# Altium PCB Motherboard_PCB_Trimmed.PcbDoc (part 2 of 5)
Units mm, origin at the board's own origin, x right, y up, seen from the top; angles counter-clockwise.
Board outline 167.96 x 167.95 mm, 6 copper layers (Top, VCC, VS, Internal, GND, Bottom), stack 1.797 mm thick; 578 components, 549 nets, 2587 pads, 1599 vias.
Unrouted connection lines stored in the file: 2.
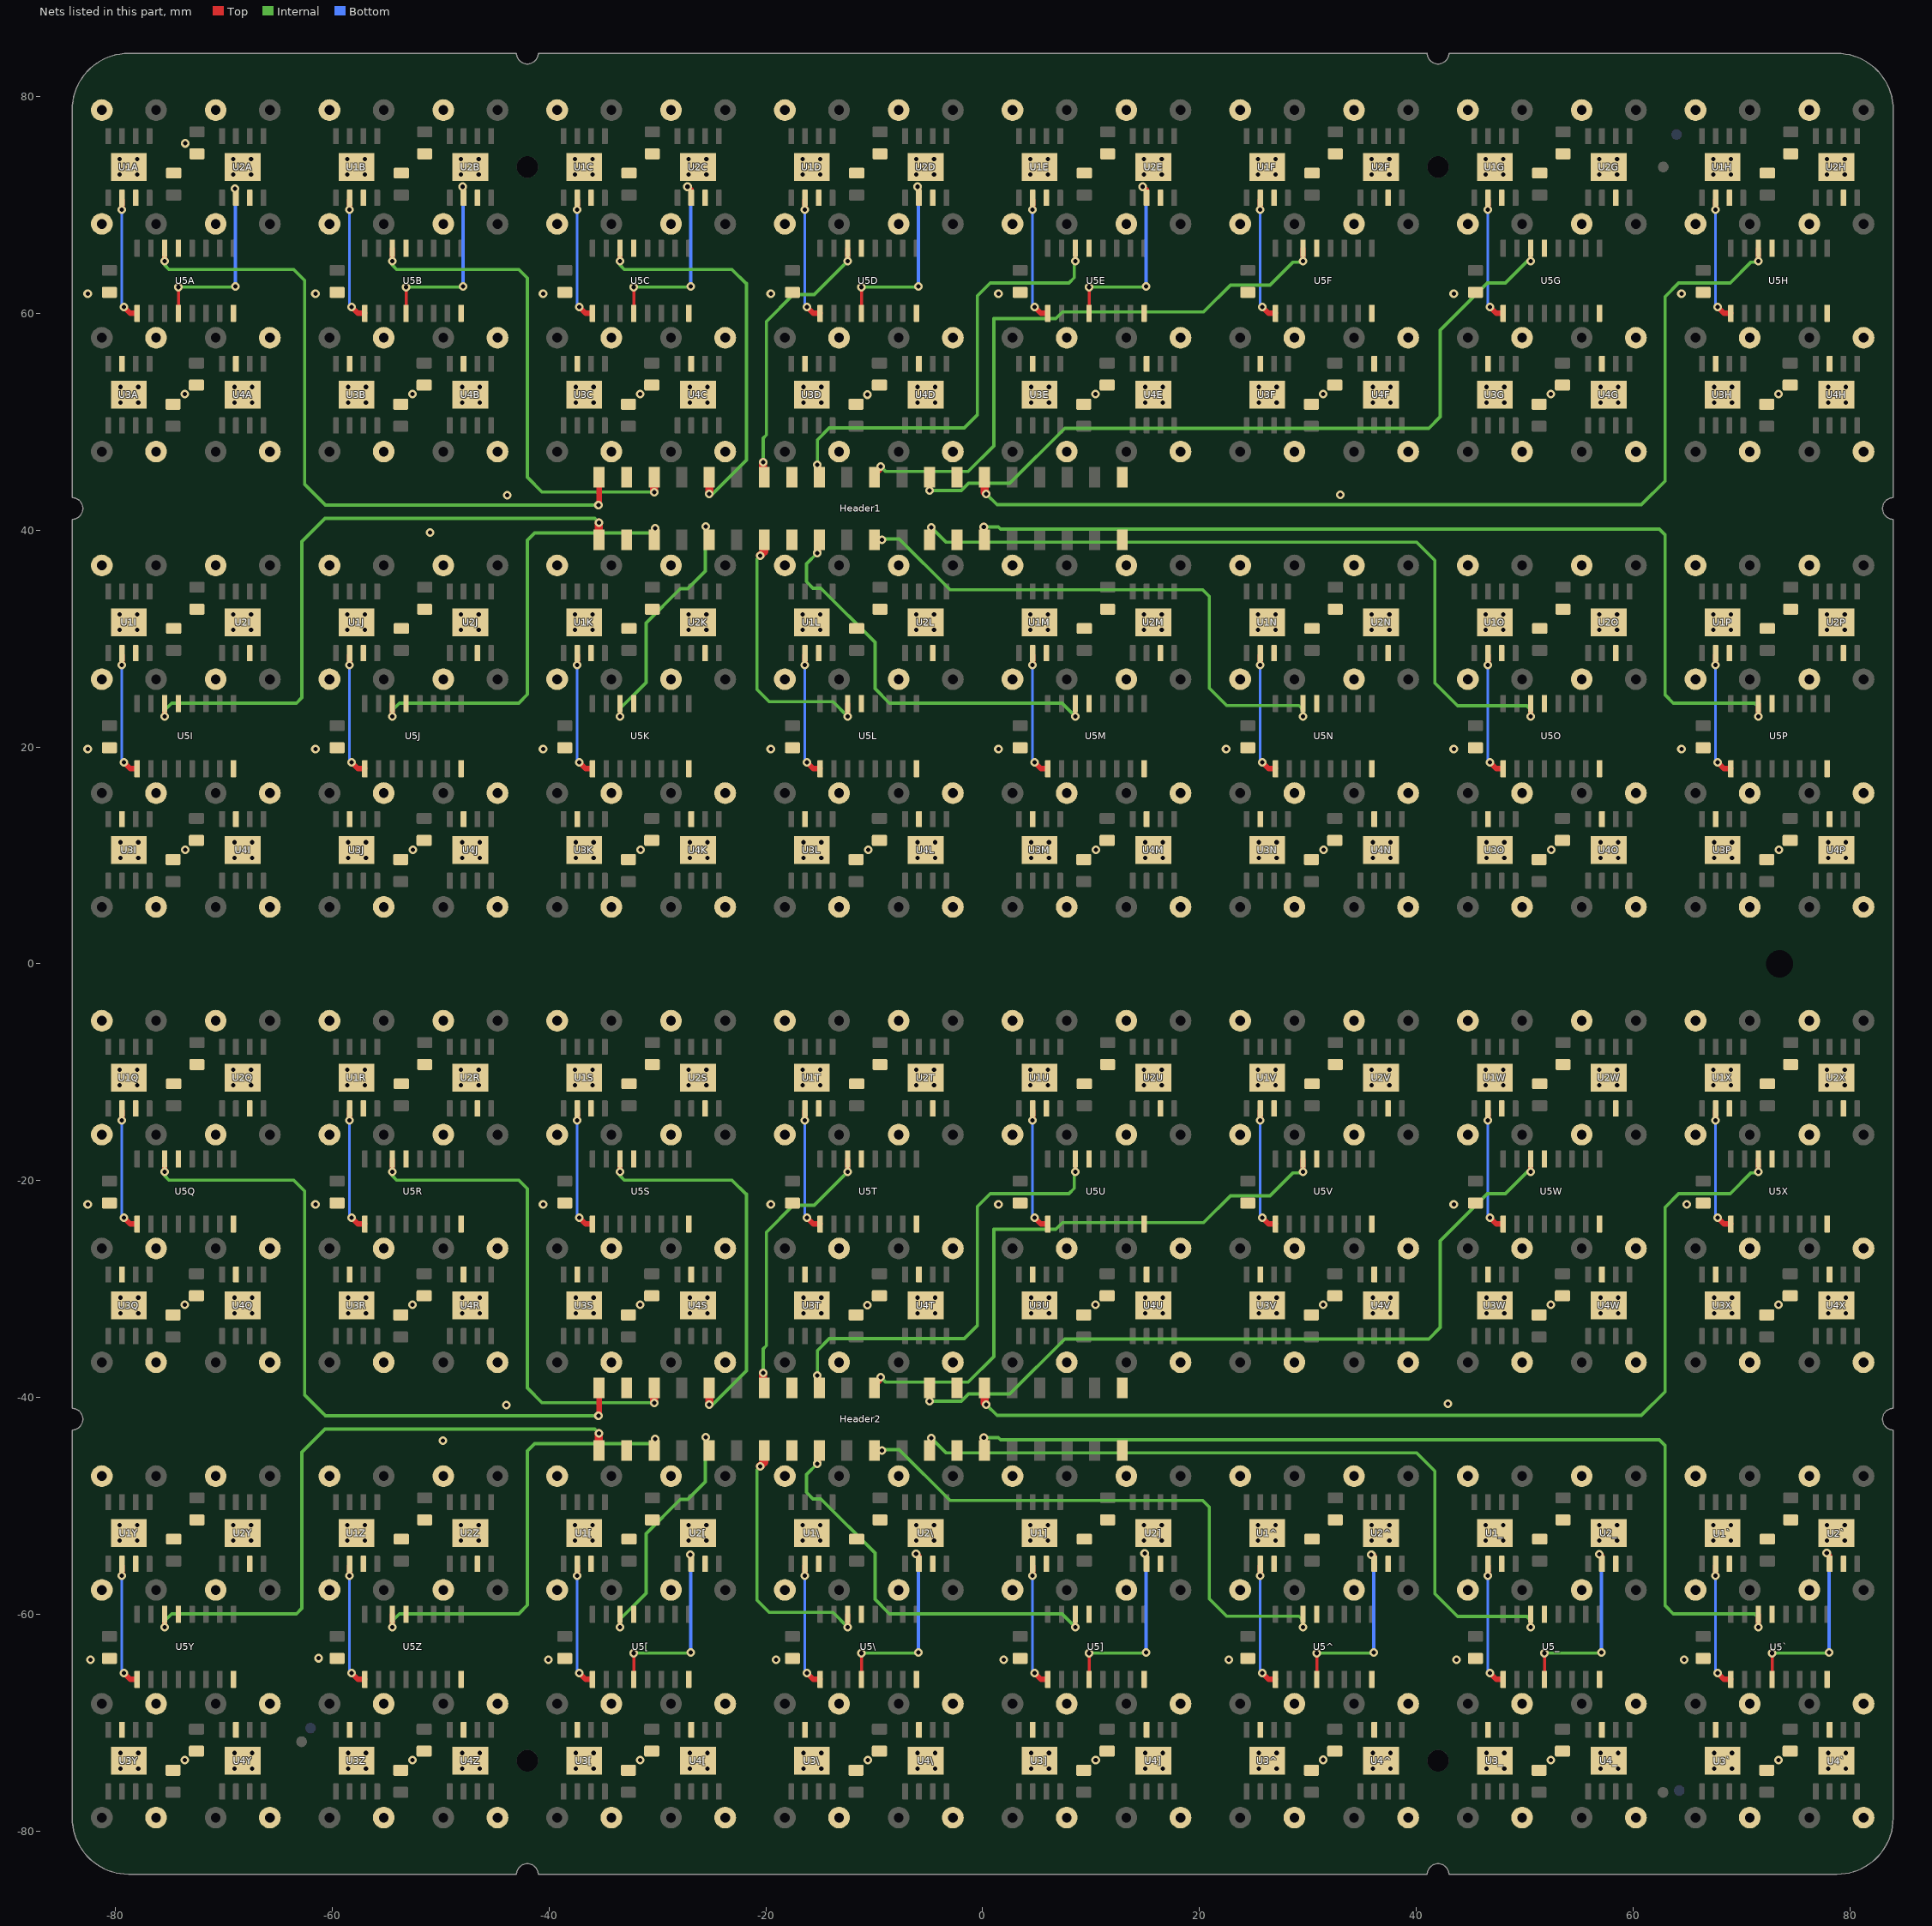
[diagram p6: the nets of this part, all layers, seen from the top]

## Components (designator, comment, footprint, x,y, rotation, side; value= is the part's Value field where it differs from the comment) (continued)
U3Q "MOSFET Driver" MIC4127YME -78.75,-31.5 r270 top locked (schematic designator U3)
U3R "MOSFET Driver" MIC4127YME -57.75,-31.5 r270 top locked (schematic designator U3)
U3S "MOSFET Driver" MIC4127YME -36.75,-31.5 r270 top locked (schematic designator U3)
U3T "MOSFET Driver" MIC4127YME -15.75,-31.5 r270 top locked (schematic designator U3)
U3U "MOSFET Driver" MIC4127YME 5.25,-31.5 r270 top locked (schematic designator U3)
U3V "MOSFET Driver" MIC4127YME 26.25,-31.5 r270 top locked (schematic designator U3)
U3W "MOSFET Driver" MIC4127YME 47.25,-31.5 r270 top locked (schematic designator U3)
U3X "MOSFET Driver" MIC4127YME 68.25,-31.5 r270 top locked (schematic designator U3)
U3Y "MOSFET Driver" MIC4127YME -78.75,-73.5 r270 top locked (schematic designator U3)
U3Z "MOSFET Driver" MIC4127YME -57.75,-73.5 r270 top locked (schematic designator U3)
U4[ "MOSFET Driver" MIC4127YME -26.25,-73.5 r270 top locked (schematic designator U4)
U4\ "MOSFET Driver" MIC4127YME -5.25,-73.5 r270 top locked (schematic designator U4)
U4] "MOSFET Driver" MIC4127YME 15.75,-73.5 r270 top locked (schematic designator U4)
U4^ "MOSFET Driver" MIC4127YME 36.75,-73.5 r270 top locked (schematic designator U4)
U4_ "MOSFET Driver" MIC4127YME 57.75,-73.5 r270 top locked (schematic designator U4)
U4` "MOSFET Driver" MIC4127YME 78.75,-73.5 r270 top locked (schematic designator U4)
U4A "MOSFET Driver" MIC4127YME -68.25,52.5 r270 top locked (schematic designator U4)
U4B "MOSFET Driver" MIC4127YME -47.25,52.5 r270 top locked (schematic designator U4)
U4C "MOSFET Driver" MIC4127YME -26.25,52.5 r270 top locked (schematic designator U4)
U4D "MOSFET Driver" MIC4127YME -5.25,52.5 r270 top locked (schematic designator U4)
U4E "MOSFET Driver" MIC4127YME 15.75,52.5 r270 top locked (schematic designator U4)
U4F "MOSFET Driver" MIC4127YME 36.75,52.5 r270 top locked (schematic designator U4)
U4G "MOSFET Driver" MIC4127YME 57.75,52.5 r270 top locked (schematic designator U4)
U4H "MOSFET Driver" MIC4127YME 78.75,52.5 r270 top locked (schematic designator U4)
U4I "MOSFET Driver" MIC4127YME -68.25,10.5 r270 top locked (schematic designator U4)
U4J "MOSFET Driver" MIC4127YME -47.25,10.5 r270 top locked (schematic designator U4)
U4K "MOSFET Driver" MIC4127YME -26.25,10.5 r270 top locked (schematic designator U4)
U4L "MOSFET Driver" MIC4127YME -5.25,10.5 r270 top locked (schematic designator U4)
U4M "MOSFET Driver" MIC4127YME 15.75,10.5 r270 top locked (schematic designator U4)
U4N "MOSFET Driver" MIC4127YME 36.75,10.5 r270 top locked (schematic designator U4)
U4O "MOSFET Driver" MIC4127YME 57.75,10.5 r270 top locked (schematic designator U4)
U4P "MOSFET Driver" MIC4127YME 78.75,10.5 r270 top locked (schematic designator U4)
U4Q "MOSFET Driver" MIC4127YME -68.25,-31.5 r270 top locked (schematic designator U4)
U4R "MOSFET Driver" MIC4127YME -47.25,-31.5 r270 top locked (schematic designator U4)
U4S "MOSFET Driver" MIC4127YME -26.25,-31.5 r270 top locked (schematic designator U4)
U4T "MOSFET Driver" MIC4127YME -5.25,-31.5 r270 top locked (schematic designator U4)
U4U "MOSFET Driver" MIC4127YME 15.75,-31.5 r270 top locked (schematic designator U4)
U4V "MOSFET Driver" MIC4127YME 36.75,-31.5 r270 top locked (schematic designator U4)
U4W "MOSFET Driver" MIC4127YME 57.75,-31.5 r270 top locked (schematic designator U4)
U4X "MOSFET Driver" MIC4127YME 78.75,-31.5 r270 top locked (schematic designator U4)
U4Y "MOSFET Driver" MIC4127YME -68.25,-73.5 r270 top locked (schematic designator U4)
U4Z "MOSFET Driver" MIC4127YME -47.25,-73.5 r270 top locked (schematic designator U4)
U5[ "74HC595D" 74*959D -31.55,-63 r0 top locked (schematic designator U5)
U5\ "74HC595D" 74*959D -10.55,-63 r0 top locked (schematic designator U5)
U5] "74HC595D" 74*959D 10.45,-63 r0 top locked (schematic designator U5)
U5^ "74HC595D" 74*959D 31.45,-63 r0 top locked (schematic designator U5)
U5_ "74HC595D" 74*959D 52.45,-63 r0 top locked (schematic designator U5)
U5` "74HC595D" 74*959D 73.45,-63 r0 top locked (schematic designator U5)
U5A "74HC595D" 74*959D -73.55,63 r0 top locked (schematic designator U5)
U5B "74HC595D" 74*959D -52.55,63 r0 top locked (schematic designator U5)
U5C "74HC595D" 74*959D -31.55,63 r0 top locked (schematic designator U5)
U5D "74HC595D" 74*959D -10.55,63 r0 top locked (schematic designator U5)
U5E "74HC595D" 74*959D 10.45,63 r0 top locked (schematic designator U5)
U5F "74HC595D" 74*959D 31.45,63 r0 top locked (schematic designator U5)
U5G "74HC595D" 74*959D 52.45,63 r0 top locked (schematic designator U5)
U5H "74HC595D" 74*959D 73.45,63 r0 top locked (schematic designator U5)
U5I "74HC595D" 74*959D -73.55,21 r0 top locked (schematic designator U5)
U5J "74HC595D" 74*959D -52.55,21 r0 top locked (schematic designator U5)
U5K "74HC595D" 74*959D -31.55,21 r0 top locked (schematic designator U5)
U5L "74HC595D" 74*959D -10.55,21 r0 top locked (schematic designator U5)
U5M "74HC595D" 74*959D 10.45,21 r0 top locked (schematic designator U5)
U5N "74HC595D" 74*959D 31.45,21 r0 top locked (schematic designator U5)
U5O "74HC595D" 74*959D 52.45,21 r0 top locked (schematic designator U5)
U5P "74HC595D" 74*959D 73.45,21 r0 top locked (schematic designator U5)
U5Q "74HC595D" 74*959D -73.55,-21 r0 top locked (schematic designator U5)
U5R "74HC595D" 74*959D -52.55,-21 r0 top locked (schematic designator U5)
U5S "74HC595D" 74*959D -31.55,-21 r0 top locked (schematic designator U5)
U5T "74HC595D" 74*959D -10.55,-21 r0 top locked (schematic designator U5)
U5U "74HC595D" 74*959D 10.45,-21 r0 top locked (schematic designator U5)
U5V "74HC595D" 74*959D 31.45,-21 r0 top locked (schematic designator U5)
U5W "74HC595D" 74*959D 52.45,-21 r0 top locked (schematic designator U5)
U5X "74HC595D" 74*959D 73.45,-21 r0 top locked (schematic designator U5)
U5Y "74HC595D" 74*959D -73.55,-63 r0 top locked (schematic designator U5)
U5Z "74HC595D" 74*959D -52.55,-63 r0 top locked (schematic designator U5)

## Footprints (in the part's own frame and the unit in brackets; to place one, negate y for a bottom-side part, rotate by r counter-clockwise, add the part's x,y. Pads: shape width x height; smd on the part's side, far side on the other; paste and mask are expansions set on the pad)
74*959D [mm]
  rrect25% 0.5x1.6 smd: 1(-4.445,-3) 2(-3.175,-3) 3(-1.905,-3) 4(-0.635,-3) 5(0.635,-3) 6(1.905,-3) 7(3.175,-3) 8(4.445,-3) 9(4.445,3) 10(3.175,3) 11(1.905,3) 12(0.635,3) 13(-0.635,3) 14(-1.905,3) 15(-3.175,3) 16(-4.445,3)
  silkscreen extent -5.87,-2.7 4.9,1.95, body extent -4.9,-3.16 4.9,3.16, height 1.43
B27C-SMT2X20 [mm]
  rect 1.9x1.02 smd: 1(-2.894,24.13) 2(2.894,24.13) 3(-2.894,21.59) 4(2.894,21.59) 5(-2.894,19.05) 6(2.894,19.05) 7(-2.894,16.51) 8(2.894,16.51) 9(-2.894,13.97) 10(2.894,13.97) 11(-2.894,11.43) 12(2.894,11.43) 13(-2.894,8.89) 14(2.894,8.89) 15(-2.894,6.35) 16(2.894,6.35) 17(-2.894,3.81) 18(2.894,3.81) 19(-2.894,1.27) 20(2.894,1.27) 21(-2.894,-1.27) 22(2.894,-1.27) 23(-2.894,-3.81) 24(2.894,-3.81) 25(-2.894,-6.35) 26(2.894,-6.35) 27(-2.894,-8.89) 28(2.894,-8.89) 29(-2.894,-11.43) 30(2.894,-11.43) 31(-2.894,-13.97) 32(2.894,-13.97) 33(-2.894,-16.51) 34(2.894,-16.51) 35(-2.894,-19.05) 36(2.894,-19.05) 37(-2.894,-21.59) 38(2.894,-21.59) 39(-2.894,-24.13) 40(2.894,-24.13)
  silkscreen extent -2.9,-25.65 2.54,27, body extent -3.41,-25.65 3.38,25.65, height 7.38
CAP0805 [mil]
  rrect25% 55x40 smd: 1(0,40) 2(0,-40)
  silkscreen extent -38,-70 38,70, body extent -25,-39 25,39, height 49
MIC4127YME [mm]
  rrect25% 1.5x0.53 smd: 1(-2.845,1.905) 2(-2.845,0.635) 3(-2.845,-0.635) 4(-2.845,-1.905) 5(2.845,-1.905) 6(2.845,-0.635) 7(2.845,0.635) 8(2.845,1.905)
  rect 2.54x3.3 smd paste-5: 3(0,0)
  silkscreen extent -3.1,-2.45 1.95,2.9, body extent -3,-2.37 2.9,2.52, height 1.38
"TRANSDUCER - LowPoly" [mm]
  round 2 hole 0.9: +(-2.5,0) -(2.5,0)
  body extent -4.95,-4.95 4.95,4.95, height 1.9
"TRANSDUCER_D - LowPoly" [mm]
  round 2 hole 0.9: +(-2.5,0) -(2.5,0)
  body extent -4.95,-4.95 4.95,4.95, height 1.9

## Part data
C1[ C1\ C1] C1^ C1_ C1` C1A C1B C1C C1D C1E C1F C1G C1H C1I C1J C1K C1L C1M C1N C1O C1P C1Q C1R C1S C1T C1U C1V C1W C1X C1Y C1Z C2[ C2\ C2] C2^ C2_ C2` C2A C2B C2C C2D C2E C2F C2G C2H C2I C2J C2K C2L C2M C2N C2O C2P C2Q C2R C2S C2T C2U C2V C2W C2X C2Y C2Z C4[ C4\ C4] C4^ C4_ C4` C4A C4B C4C C4D C4E C4F C4G C4H C4I C4J C4K C4L C4M C4N C4O C4P C4Q C4R C4S C4T C4U C4V C4W C4X C4Y C4Z C6[ C6\ C6] C6^ C6_ C6` C6A C6B C6C C6D C6E C6F C6G C6H C6I C6J C6K C6L C6M C6N C6O C6P C6Q C6R C6S C6T C6U C6V C6W C6X C6Y C6Z C8[ C8\ C8] C8^ C8_ C8` C8A C8B C8C C8D C8E C8F C8G C8H C8I C8J C8K C8L C8M C8N C8O C8P C8Q C8R C8S C8T C8U C8V C8W C8X C8Y C8Z: library part "CAP CERAMIC", PROD_ID=CAP-08280
Header1 Header2: library part CONN_20X2SHROUDED_SMT, PROD_ID=B27C-2X20-BSBB1-G
U1[ U1\ U1] U1^ U1_ U1` U1A U1B U1C U1D U1E U1F U1G U1H U1I U1J U1K U1L U1M U1N U1O U1P U1Q U1R U1S U1T U1U U1V U1W U1X U1Y U1Z U2[ U2\ U2] U2^ U2_ U2` U2A U2B U2C U2D U2E U2F U2G U2H U2I U2J U2K U2L U2M U2N U2O U2P U2Q U2R U2S U2T U2U U2V U2W U2X U2Y U2Z U3[ U3\ U3] U3^ U3_ U3` U3A U3B U3C U3D U3E U3F U3G U3H U3I U3J U3K U3L U3M U3N U3O U3P U3Q U3R U3S U3T U3U U3V U3W U3X U3Y U3Z U4[ U4\ U4] U4^ U4_ U4` U4A U4B U4C U4D U4E U4F U4G U4H U4I U4J U4K U4L U4M U4N U4O U4P U4Q U4R U4S U4T U4U U4V U4W U4X U4Y U4Z: library part MIC4127
U5[ U5\ U5] U5^ U5_ U5` U5A U5B U5C U5D U5E U5F U5G U5H U5I U5J U5K U5L U5M U5N U5O U5P U5Q U5R U5S U5T U5U U5V U5W U5X U5Y U5Z: library part 74HC595D,118, "Logic IC - Shift register NXP Semiconductors 74HC595D, 118 Shift register Three-state SO 16", Package="SO-16 Nexperia", Availability=Unavailable, MF="Nexperia USA", MP=74HC595D,118, Price=None, SnapEDA_Link=https://www.snapeda.com/parts/74HC595D%2C118/Nexperia%20USA%20Inc./view-part/?ref=snap

## Free pads (board coordinates)
  round 1 smd paste+0 mask+0.5: 1(-62.825,-71.75) 1(62.75,-76.425) 1(62.775,73.5)
  round 1 smd far side paste+0 mask+0.5: 1(-62,-70.5) 1(64,76.5) 1(64.25,-76.25)
  round 2 hole 2 unplated mask+0: 2(-42,-73.5) 2(-42,73.5) 2(42,-73.5) 2(42,73.5)
  round 2 hole 2.5 unplated mask+0: 2(73.5,0)

## Via types
v1: diameter 0.8, hole 0.4, Top to Bottom, tented both sides, 1061 vias
v2: diameter 0.8, hole 0.4, Top to Bottom, 512 vias
v3: diameter 1.4, hole 0.8, Top to Bottom, tented both sides, 10 vias
v4: diameter 1.2, hole 0.8, Top to Bottom, tented both sides, 10 vias
v5: diameter 1, hole 0.6, Top to Bottom, tented both sides, 6 vias

## Nets (pads, with @x,y where several pads share a name; then routed paths per layer and width w, separated by ;. In a path a pad name is that pad's centre, name@x,y a point inside that pad or via, vN(x,y) a via of type N, cw(c..) or ccw(c..) an arc to the next point about the centre after c; other vN are vias at no path point)
DS1: Header1.2 U5A.14 | length 64.3
  Top w0.5: U5A.14@-75.455,66 -75.45,65.995 v1(-75.45,64.825) ; v1(-35.45,42.325) -35.385,42.39 Header1.2@-35.385,44.9
  Internal w0.3: v1(-75.45,64.825) -75.45,64.45 -75.05,64.05 -63.55,64.05 -62.55,63.05 -62.55,44.25 -60.625,42.325 v1(-35.45,42.325)
DS2: Header1.6 U5B.14 | length 46.5
  Top w0.5: U5B.14@-54.455,66 -54.45,65.995 v1(-54.45,64.825)
  Top w0.75: Header1.6@-30.305,44.9 -30.3,44.895 v1(-30.3,43.5)
  Internal w0.3: v1(-54.45,64.825) -54.45,64.45 -54.05,64.05 -42.8,64.05 -42,63.25 -42,44.875 -40.65,43.525 -30.325,43.525 v1(-30.3,43.5)
DS3: Header1.10 U5C.14 | length 36.5
  Top w0.5: U5C.14@-33.455,66 -33.45,65.995 v1(-33.45,64.825)
  Top w0.75: v1(-25.225,43.35) Header1.10@-25.225,44.9
  Internal w0.3: v1(-33.45,64.825) -33.45,64.45 -33.05,64.05 -23.125,64.05 -21.825,62.75 -21.8,62.75 -21.8,46.475 -24.925,43.35 v1(-25.225,43.35)
DS4: Header1.14 U5D.14 | length 25.5
  Top w0.5: U5D.14@-12.455,66 -12.45,65.995 v1(-12.45,64.825)
  Top w0.75: v1(-20.25,46.275) -20.25,45.005 Header1.14@-20.145,44.9
  Internal w0.3: v1(-20.25,46.275) -20.25,48.475 -19.95,48.775 -19.95,59.25 -17.475,61.725 -15.55,61.725 v1(-12.45,64.825)
DS5: Header1.18 U5E.14 | length 42.6
  Top w0.3: v1(-15.25,46.025) -15.065,45.84 Header1.18@-15.065,44.9 ; U5E.14@8.545,66 8.55,65.995 v1(8.55,64.825)
  Internal w0.3: v1(-15.25,46.025) -15.25,48.325 -14.15,49.425 -1.7,49.425 -0.5,50.625 -0.5,61.6 0.7,62.8 7.95,62.8 8.45,63.3 8.45,64.725 v1(8.55,64.825)
DS6: Header1.22 U5F.14 | length 56.5
  Top w0.3: Header1.22@-9.985,44.9 -9.425,45.46 v1(-9.425,45.875)
  Top w0.5: U5F.14@29.545,66 29.55,65.995 v1(29.55,64.825)
  Internal w0.3: v1(-9.425,45.875) -8.975,45.425 -1.325,45.425 1.025,47.775 1.025,59.525 6.75,59.525 7.35,60.125 20.375,60.125 22.85,62.6 26.5,62.6 28.625,64.725 29.45,64.725 v1(29.55,64.825)
DS7: Header1.26 U5G.14 | length 71.3
  Top w0.3: Header1.26@-4.905,44.9 -4.905,43.657 v1(-4.9,43.652) ; U5G.14@50.545,66 50.55,65.995 v1(50.55,64.825)
  Internal w0.3: v1(-4.9,43.652) -1.975,43.652 -1.298,44.329 2.504,44.329 7.575,49.4 41.15,49.4 42.2,50.45 42.2,58.45 46.55,62.8 48.2,62.8 50.225,64.825 v1(50.55,64.825)
DS8: Header1.30 U5H.14 | length 93.7
  Top w0.5: U5H.14@71.545,66 71.55,65.995 v1(71.55,64.825)
  Top w0.75: Header1.30@0.175,44.9 0.175,43.5 v1(0.325,43.35)
  Internal w0.3: v1(0.325,43.35) 1.325,42.35 60.75,42.35 62.95,44.55 62.95,61.55 64.2,62.8 68.95,62.8 70.875,64.725 71.45,64.725 v1(71.55,64.825)
DS9: Header1.1 U5I.14 | length 59.3
  Top w0.5: U5I.14@-75.455,24 -75.45,23.995 v1(-75.45,22.825)
  Top w0.75: v1(-35.4,40.7) -35.4,39.128 Header1.1@-35.385,39.112
  Internal w0.3: v1(-75.45,22.825) -75.45,23.4 -74.8,24.05 -63.3,24.05 -62.8,24.55 -62.8,38.954 -60.677,41.077 -35.777,41.077 v1(-35.4,40.7)
DS10: Header1.5 U5J.14 | length 42.4
  Top w0.3: Header1.5@-30.305,39.112 -30.225,39.193 v1(-30.225,40.175)
  Top w0.5: U5J.14@-54.455,24 -54.45,23.995 v1(-54.45,22.825)
  Internal w0.3: v1(-54.45,22.825) -54.45,23.4 -53.8,24.05 -42.8,24.05 -42,24.85 -42,39.075 -41.325,39.75 -30.65,39.75 v1(-30.225,40.175)
DS11: Header1.9 U5K.14 | length 23.7
  Top w0.3: U5K.14@-33.455,24 -33.45,23.995 v1(-33.45,22.825) ; v1(-25.55,40.325) -25.55,39.438 Header1.9@-25.225,39.112
  Internal w0.3: v1(-33.45,22.825) -33.45,23.55 -31.05,25.95 -31.05,31.45 -27.9,34.6 -27.2,34.6 -25.575,36.225 -25.575,40.3 v1(-25.55,40.325)
DS12: Header1.13 U5L.14 | length 24.7
  Top w0.5: U5L.14@-12.455,24 -12.45,23.995 v1(-12.45,22.825)
  Top w0.75: v1(-20.525,37.65) -20.145,38.03 Header1.13@-20.145,39.112
  Internal w0.3: v1(-20.525,37.65) -20.825,37.35 -20.825,25.3 -19.7,24.175 -13.8,24.175 v1(-12.45,22.825)
DS13: Header1.17 U5M.14 | length 38
  Top w0.3: v1(-15.25,37.9) -15.065,38.085 Header1.17@-15.065,39.112 ; U5M.14@8.545,24 8.545,22.83 v1(8.55,22.825)
  Internal w0.3: v1(-15.25,37.9) -16.25,36.9 -16.25,35.25 -15.65,34.65 -14.925,34.65 -9.925,29.65 -9.925,25.375 -8.6,24.05 7.325,24.05 v1(8.55,22.825)
DS14: Header1.21 U5N.14 | length 52.9
  Top w0.3: Header1.21@-9.985,39.112 -9.972,39.1 v1(-9.3,39.1) ; U5N.14@29.545,24 29.55,23.995 v1(29.55,22.825)
  Internal w0.3: v1(-9.3,39.1) -9.2,39.2 -7.7,39.2 -3,34.5 20.3,34.5 20.9,33.9 20.9,25.425 22.5,23.825 29.175,23.825 29.55,23.45 v1(29.55,22.825)
DS15: Header1.25 U5O.14 | length 71.9
  Top w0.5: Header1.25@-4.905,39.112 -4.807,39.21 -4.807,40.193 v1(-4.75,40.25) ; U5O.14@50.545,24 50.545,22.83 v1(50.55,22.825)
  Internal w0.3: v1(-4.75,40.25) -3.4,38.9 40,38.9 41.7,37.2 41.7,25.9 43.8,23.8 50.2,23.8 50.55,23.45 v1(50.55,22.825)
DS16: Header1.29 U5P.14 | length 89.4
  Top w0.5: U5P.14@71.545,24 71.55,23.995 v1(71.55,22.825)
  Top w0.75: Header1.29@0.1,39.875 v1(0.1,40.3)
  Internal w0.3: v1(0.1,40.3) 1.45,40.3 1.65,40.1 62.4,40.1 62.95,39.55 62.95,24.8 63.7,24.05 71.2,24.05 71.55,23.7 v1(71.55,22.825)
DS17: Header2.2 U5Q.14 | length 64.3
  Top w0.5: U5Q.14@-75.455,-18 -75.45,-18.005 v1(-75.45,-19.175) ; v1(-35.45,-41.675) -35.385,-41.61 Header2.2@-35.385,-39.106 Header2.2@-35.385,-39.1
  Internal w0.3: v1(-75.45,-19.175) -75.45,-19.55 -75.05,-19.95 -63.55,-19.95 -62.55,-20.95 -62.55,-39.75 -60.85,-41.45 -60.65,-41.65 -60.625,-41.675 -60.575,-41.675 -59.975,-41.675 v1(-35.45,-41.675)
DS18: Header2.6 U5R.14 | length 46.5
  Top w0.5: U5R.14@-54.455,-18 -54.45,-18.005 v1(-54.45,-19.175)
  Top w0.75: Header2.6@-30.305,-39.1 -30.3,-39.105 v1(-30.3,-40.5)
  Internal w0.3: v1(-54.45,-19.175) -54.45,-19.55 -54.05,-19.95 -42.8,-19.95 -42,-20.75 -42,-39.125 -40.65,-40.475 -30.325,-40.475 v1(-30.3,-40.5)
DS19: Header2.10 U5S.14 | length 36.5
  Top w0.5: U5S.14@-33.455,-18 -33.45,-18.005 v1(-33.45,-19.175)
  Top w0.75: v1(-25.225,-40.65) Header2.10@-25.225,-39.106 Header2.10@-25.225,-39.1
  Internal w0.3: v1(-33.45,-19.175) -33.45,-19.55 -33.05,-19.95 -23.125,-19.95 -21.825,-21.25 -21.8,-21.25 -21.8,-37.525 -24.925,-40.65 v1(-25.225,-40.65)
DS20: Header2.14 U5T.14 | length 25.5
  Top w0.5: U5T.14@-12.455,-18 -12.45,-18.005 v1(-12.45,-19.175)
  Top w0.75: v1(-20.25,-37.725) -20.25,-38.995 Header2.14@-20.145,-39.1
  Internal w0.3: v1(-20.25,-37.725) -20.25,-35.525 -19.95,-35.225 -19.95,-24.75 -17.475,-22.275 -15.55,-22.275 v1(-12.45,-19.175)
DS21: Header2.18 U5U.14 | length 42.6
  Top w0.3: v1(-15.25,-37.975) -15.065,-38.16 Header2.18@-15.065,-39.1 ; U5U.14@8.545,-18 8.547,-18.003 8.547,-19.172 v1(8.55,-19.175)
  Internal w0.3: v1(-15.25,-37.975) -15.25,-35.675 -14.15,-34.575 -1.7,-34.575 -0.5,-33.375 -0.5,-22.4 0.7,-21.2 7.95,-21.2 8.45,-20.7 8.45,-19.275 v1(8.55,-19.175)
DS22: Header2.22 U5V.14 | length 56.5
  Top w0.3: Header2.22@-9.985,-39.1 -9.425,-38.54 v1(-9.425,-38.125)
  Top w0.5: U5V.14@29.545,-18 29.55,-18.005 v1(29.55,-19.175)
  Internal w0.3: v1(-9.425,-38.125) -8.975,-38.575 -1.325,-38.575 1.025,-36.225 1.025,-24.475 6.75,-24.475 7.35,-23.875 20.375,-23.875 22.85,-21.4 26.5,-21.4 28.625,-19.275 29.45,-19.275 v1(29.55,-19.175)
DS23: Header2.26 U5W.14 | length 71.3
  Top w0.3: Header2.26@-4.905,-39.1 Header2.26@-4.905,-39.106 -4.905,-40.343 v1(-4.9,-40.348)
  Top w0.5: U5W.14@50.545,-18 50.545,-19.17 v1(50.55,-19.175)
  Internal w0.3: v1(-4.9,-40.348) -1.975,-40.348 -1.298,-39.671 2.504,-39.671 7.575,-34.6 41.15,-34.6 42.2,-33.55 42.2,-25.55 46.55,-21.2 48.2,-21.2 50.225,-19.175 v1(50.55,-19.175)
DS24: Header2.30 U5X.14 | length 93.7
  Top w0.5: U5X.14@71.545,-18 71.55,-18.005 v1(71.55,-19.175)